# Altium PCB Shot-Clock-Remote.PcbDoc
Units mm, origin at the board's own origin, x right, y up, seen from the top; angles counter-clockwise.
Board outline 40.55 x 140.05 mm, 2 copper layers (Top Layer, Bottom Layer), stack 1.571 mm thick; 18 components, 17 nets, 106 pads, 63 vias.
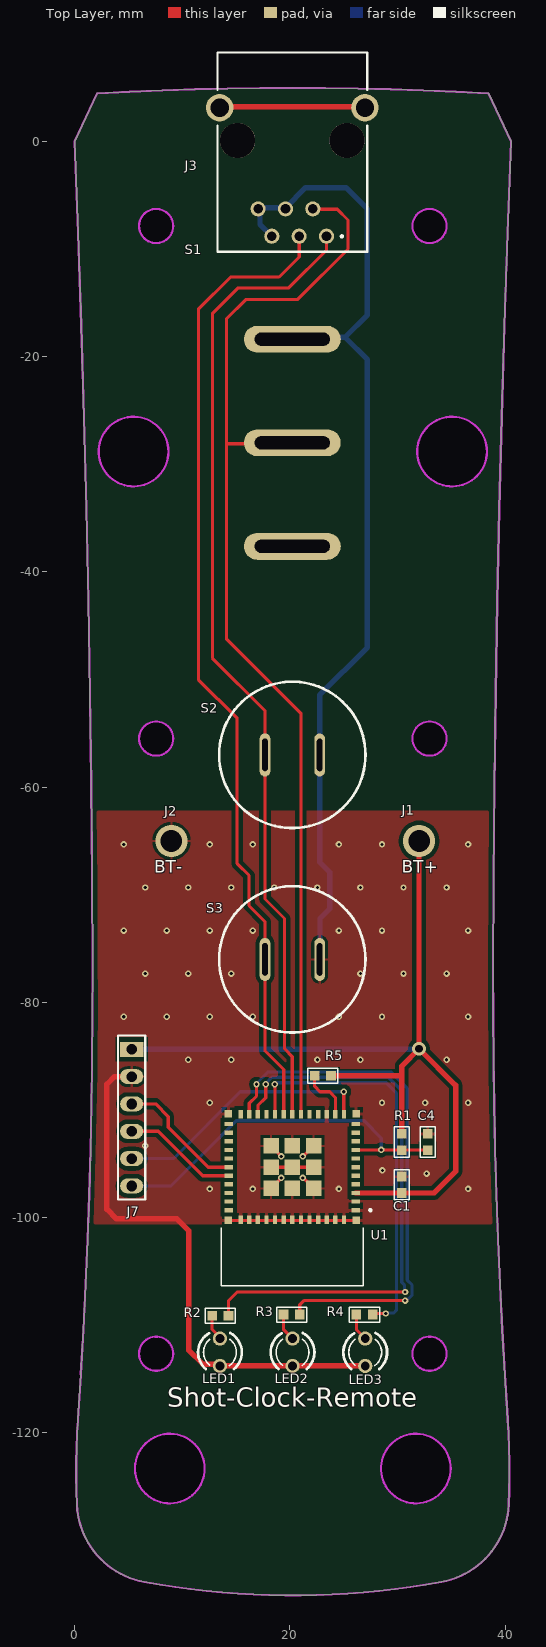
[diagram p0: Top Layer view]
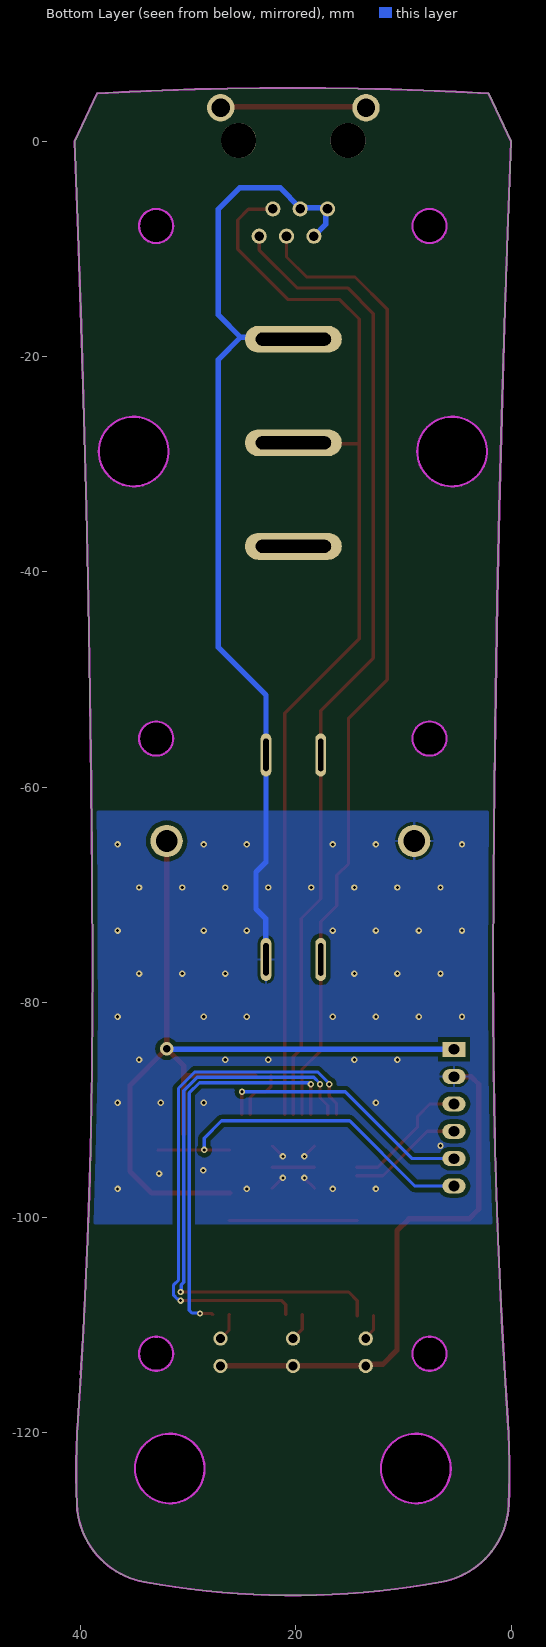
[diagram p1: Bottom Layer view, seen from below]
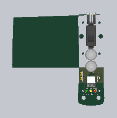
[diagram p2: 3D render of the assembled board from above, using the file's embedded part models]

## Layer stack, top to bottom
Top Solder: solder mask 0.0102, Solder Resist, Dk 3.5
Top Layer: signal copper 0.0356
Dielectric: dielectric 1.5, FR-4, Dk 4.8
Bottom Layer: signal copper 0.0356
Bottom Solder: solder mask 0.0102, Solder Resist, Dk 3.5

## Board outline
0.216,-126.675 cw(c70.871,-123.538) 0.309,-118.744 ccw(c-588.461,-78.743) 1.663,-76.946 ccw(c-2070.84,-83.255) 0,0 2.081,4.463 cw(c20.275,-324.424) 38.469,4.463 40.55,0 ccw(c2111.391,-83.255) 38.887,-76.946 ccw(c629.009,-78.743) 40.242,-118.744 cw(c-30.319,-123.538) 40.335,-126.675 cw(c32.717,-126.336) 34.092,-133.837 cw(c20.275,-58.441) 6.459,-133.837 cw(c7.833,-126.336)
cut-out: 28.467,-123.304 ccw(c31.705,-123.304) 31.705,-126.542 ccw(c31.705,-123.304) 34.944,-123.304 ccw(c31.705,-123.304) 31.705,-120.065 ccw(c31.705,-123.304)
cut-out: 5.607,-123.304 ccw(c8.845,-123.304) 8.845,-126.542 ccw(c8.845,-123.304) 12.084,-123.304 ccw(c8.845,-123.304) 8.845,-120.065 ccw(c8.845,-123.304)
cut-out: 31.388,-112.636 ccw(c32.975,-112.636) 32.975,-114.223 ccw(c32.975,-112.636) 34.563,-112.636 ccw(c32.975,-112.636) 32.975,-111.048 ccw(c32.975,-112.636)
cut-out: 5.988,-112.636 ccw(c7.575,-112.636) 7.575,-114.223 ccw(c7.575,-112.636) 9.163,-112.636 ccw(c7.575,-112.636) 7.575,-111.048 ccw(c7.575,-112.636)
cut-out: 31.388,-55.486 ccw(c32.975,-55.486) 32.975,-57.073 ccw(c32.975,-55.486) 34.563,-55.486 ccw(c32.975,-55.486) 32.975,-53.898 ccw(c32.975,-55.486)
cut-out: 5.988,-55.486 ccw(c7.575,-55.486) 7.575,-57.073 ccw(c7.575,-55.486) 9.163,-55.486 ccw(c7.575,-55.486) 7.575,-53.898 ccw(c7.575,-55.486)
cut-out: 31.832,-28.816 ccw(c35.071,-28.816) 35.071,-32.054 ccw(c35.071,-28.816) 38.309,-28.816 ccw(c35.071,-28.816) 35.071,-25.577 ccw(c35.071,-28.816)
cut-out: 32.975,-9.448 cw(c32.975,-7.861) 31.388,-7.861 cw(c32.975,-7.861) 32.975,-6.273 cw(c32.975,-7.861) 34.563,-7.861 cw(c32.975,-7.861)
cut-out: 2.241,-28.816 cw(c5.48,-28.816) 5.48,-25.577 cw(c5.48,-28.816) 8.718,-28.816 cw(c5.48,-28.816) 5.48,-32.054 cw(c5.48,-28.816)
cut-out: 7.575,-9.448 cw(c7.575,-7.861) 5.988,-7.861 cw(c7.575,-7.861) 7.575,-6.273 cw(c7.575,-7.861) 9.163,-7.861 cw(c7.575,-7.861)

## Design rules (kind name [scope] priority, off if disabled: settings)
Clearance Clearance_poly [InPoly] p1: gap=0.4 ignorepadtopadclearanceinfootprint=FALSE
Clearance [All] p2: gap=0.2 ignorepadtopadclearanceinfootprint=FALSE
HoleSize [All] p1: absolutevalues=TRUE maxlimit=10 minlimit=0.025 maxpercent=80.000 minpercent=20.000
HoleToHoleClearance [All] p1: gap=0 allowstackedmicrovias=TRUE
MinimumSolderMaskSliver [All] p1: minsoldermaskwidth=0
PolygonConnect PolygonConnect_via [IsVia] p1: connectstyle=Direct reliefconductorwidth=0.254 reliefentries=4 polygonreliefangle="90 Angle" airgapwidth=0.254
PolygonConnect [All] p2: connectstyle=Relief reliefconductorwidth=0.254 reliefentries=4 polygonreliefangle="90 Angle" airgapwidth=0.254
RoomDefinition Shot-Clock-Remote [InComponentClass('Shot-Clock-Remote')] p1: confinementstyle=ConfineOut formatcopy=TRUE lockcomponents=FALSE outline 49.1,-127.1 65.5,-127.1 65.5,-122.7 49.1,-122.7
RoutingVias [All] p1: holewidth=0.3 width=0.6 viastyle="Through Hole" minholewidth=0.3 minwidth=0.6 maxholewidth=0.711 maxwidth=1.27
SilkToSilkClearance [All] p1: silktosilkclearance=0
SilkToSolderMaskClearance [IsPad] p1: minsilkscreentomaskgap=0 clearancetoexposedcopper=TRUE
SolderMaskExpansion [All] p1: expansion=0.102 istentingtop=FALSE
Width [All] p1: maxlimit=1 minlimit=0.254 preferedwidth=0.3
25 further rules are at their usual default settings.

## Components (designator, comment, footprint, x,y, rotation, side; value= is the part's Value field where it differs from the comment)
C1 "0.1uF/50V" CAP-0603 30.4,-96.176 r270 top value=50V/0.1uF
C4 "1uF/16V" CAP-0603 32.8,-92.2 r270 top value=16V/1uF
J1 "BT+" BT_PAD#1 31.6,-65.3 r0 top
J2 "BT-" BT_PAD#2 9.4,-65.3 r0 top
J3 "615006143421" 615006143421 20.227,-1 r180 top
J7 "PROG" HEADER1X6 5.3,-90.7 r270 top value=61300611121
LED1 "TLVG4200" LED3MM_GREEN 13.5,-112.5 r270 top
LED2 "TLHY4400" LED3MM_YELLOW 20.25,-112.5 r270 top
LED3 "TLHR4400" LED3MM_RED 27,-112.5 r270 top
R1 "10K" RES-0603 30.4,-93.724 r90 top
R2 "1K" RES-0603 12.776,-109.1 r0 top value=10K
R3 "1K" RES-0603 19.4,-109 r0 top value=10K
R4 "1K" RES-0603 26.176,-109 r0 top value=10K
R5 "1K" RES-0603 23.824,-86.8 r180 top value=10K
S1 "150011E" 150011E 20.227,-28 r0 top
S2 "PB6B2RS2M3CAL00" PB6B2RS2M3CAL00 20.227,-57 r0 top locked
S3 "PB6B2RS2M3CAL00" PB6B2RS2M3CAL00 20.227,-76 r0 top locked
U1 "ESP32-C6-MINI-1" XCVR_ESP32-C6-MINI-1 20.227,-98 r180 top locked value=ESP32-C3-MINI-1-N4

## Footprints (in the part's own frame and the unit in brackets; to place one, negate y for a bottom-side part, rotate by r counter-clockwise, add the part's x,y. Pads: shape width x height; smd on the part's side, far side on the other; paste and mask are expansions set on the pad)
150011E [mm]
  oval 9x2.5 hole 1.2 slot 7 at 0 deg: 1(0,9.62) 2(0,0) 3(0,-9.62)
  body extent -7.55,-19.88 7.55,19.88, height 22.3
615006143421 [mm]
  round 1.408 hole 0.9: 1(-3.175,7.81) 2(-1.905,5.27) 3(-0.635,7.81) 4(0.635,5.27) 5(1.905,7.81) 6(3.175,5.27)
  round 2.55 hole 1.7: S1(-6.75,-4.13) S2(6.75,-4.13)
  round 3.25 hole 3.25 unplated: ""(-5.08,-1.08) ""(5.08,-1.08)
  silkscreen extent -6.96,-9.25 6.96,9.25, body extent -7.88,-9.12 7.87,9.18, height 13.55
BT_PAD#1 [mm]
  round 3 hole 2: 1(0.4,0.3)
BT_PAD#2 [mm]
  round 3 hole 2: 1(-0.4,0.3)
CAP-0603 [mm]
  rect 0.9x0.9 smd mask+0.07: 1(0,0) 2(1.524,0)
  silkscreen extent -0.64,-0.7 2.16,0.7, body extent -0.04,-0.4 1.56,0.4, height 0.6
HEADER1X6 [mil]
  rect 55x85 hole 39: 1(-250,0)
  oval 55x85 hole 39: 2(-150,0) 3(-50,0) 4(50,0) 5(150,0) 6(250,0)
  silkscreen extent -300,-50 300,50
LED3MM_GREEN [mil]
  round 52 hole 32: A(-50,0) K(50,0)
  silkscreen extent -71,-80 61,80, body extent -63,-63 63,63, height 634
LED3MM_RED [mil]
  round 52 hole 32: A(-50,0) K(50,0)
  silkscreen extent -71,-80 61,80, body extent -63,-63 63,63, height 634
LED3MM_YELLOW [mil]
  round 52 hole 32: A(-50,0) K(50,0)
  silkscreen extent -71,-80 61,80, body extent -63,-63 63,63, height 634
PB6B2RS2M3CAL00 [mm]
  oval 1x4 hole 0.5 slot 3 at 90 deg: 1(-2.54,0) 2(2.54,0)
  silkscreen extent -6.8,-6.8 6.8,6.8, body extent -8.75,-8.75 8.75,8.75, height 17.83
RES-0603 [mm]
  rect 0.9x0.9 smd mask+0.07: 1(0,0) 2(1.524,0)
  silkscreen extent -0.64,-0.7 2.16,0.7, body extent -0.04,-0.4 1.56,0.4, height 0.38
XCVR_ESP32-C6-MINI-1 [mm]
  rect 0.8x0.4 smd: 1(-5.9,1.3) 2(-5.9,0.5) 3(-5.9,-0.3) 4(-5.9,-1.1) 5(-5.9,-1.9) 6(-5.9,-2.7) 7(-5.9,-3.5) 8(-5.9,-4.3) 9(-5.9,-5.1) 10(-5.9,-5.9) 11(-5.9,-6.7) 25(5.9,-6.7) 26(5.9,-5.9) 27(5.9,-5.1) 28(5.9,-4.3) 29(5.9,-3.5) 30(5.9,-2.7) 31(5.9,-1.9) 32(5.9,-1.1) 33(5.9,-0.3) 34(5.9,0.5) 35(5.9,1.3)
  rect 0.4x0.8 smd: 12(-4.8,-7.6) 13(-4,-7.6) 14(-3.2,-7.6) 15(-2.4,-7.6) 16(-1.6,-7.6) 17(-0.8,-7.6) 18(0,-7.6) 19(0.8,-7.6) 20(1.6,-7.6) 21(2.4,-7.6) 22(3.2,-7.6) 23(4,-7.6) 24(4.8,-7.6) 36(4.8,2.2) 37(4,2.2) 38(3.2,2.2) 39(2.4,2.2) 40(1.6,2.2) 41(0.8,2.2) 42(0,2.2) 43(-0.8,2.2) 44(-1.6,2.2) 45(-2.4,2.2) 46(-3.2,2.2) 47(-4,2.2) 48(-4.8,2.2)
  rect 1.45x1.45 smd: 49_1(-1.974,-0.725) 49_2(0,-0.725) 49_3(1.975,-0.725) 49_4(1.975,-2.7) 49_5(1.975,-4.675) 49_6(0,-4.675) 49_7(-1.975,-4.675) 49_8(-1.974,-2.7) 49_9(0,-2.7)
  rect 0.7x0.7 smd: 50(5.95,2.25) 51(5.95,-7.65) 52(-5.95,-7.65) 53(-5.95,2.25)
  silkscreen extent -7.35,1.2 6.6,8.3, body extent -6.6,-8.3 6.6,8.3, height 2.55

## Part data
C1: library part CAP, "Multilayer Ceramic Capacitors MLCC - SMD/SMT 50V 100nF X7R 0603 10%", Manufacturer=YAGEO, Manufacturer Part Number=CS0603KRX7R9BB104, Supplier Part Number=311-3568-2-ND, Price=0.14, Supplier=Digi-key
C4: library part CAP, "1 µF ±10% 25V Ceramic Capacitor X5R 0603 (1608 Metric)", Manufacturer=YAGEO, Manufacturer Part Number=CC0603KRX7R7BB105, Supplier Part Number=311-1446-2-ND, Price=0.14, Supplier=Digi-key
J1 J2: library part BK-82, "NO FIT"
J3: "Modular Connectors / Ethernet Connectors WR-COM Modular Jack Horztl 1.5A", Manufacturer="Wurth Elektronik", Supplier Part Number=732-615006143421-ND, Manufacturer Part Number=615006143421, Price=2.7, Supplier=Digi-key
J7: library part HEADER6_1, "Connector Header Through Hole 6 position 0.100\" (2.54mm)", Manufacturer="Würth Elektronik", Manufacturer Part Number=61300611121, Supplier Part Number=732-5319-ND, Price=0.35, Supplier=Digi-key
LED1: library part "LED GREEN DIP 3mm", "Green 569nm LED Indication - Discrete 2.4V Radial", Manufacturer="Vishay Semiconductor Opto Division", Supplier Part Number=TLVG4200-ND, Manufacturer Part Number=TLVG4200, Price=0.47, Supplier=Digi-key
LED2: library part "LED YELLOW DIP 3mm", "Yellow 588nm LED Indication - Discrete 2.4V Radial", Manufacturer="Vishay Semiconductor Opto Division", Supplier Part Number=TLHY4400-ND, Manufacturer Part Number=TLHY4400, Price=0.51, Supplier=Digi-key
LED3: library part "LED RED DIP 3mm", "Red 619nm LED Indication - Discrete 2V Radial", Manufacturer="Vishay Semiconductor Opto Division", Supplier Part Number=751-1127-ND, Manufacturer Part Number=TLHR4400, Price=0.51, Supplier=Digi-key
R1: library part RES, "10 kOhms ±1% 0.1W, 1/10W Chip Resistor 0603 (1608 Metric) Moisture Resistant Thick Film", Manufacturer=YAGEO, Manufacturer Part Number=RC0603FR-0710KL, Supplier Part Number=311-10.0KHRTR-ND, Price=0.1, Supplier=Digi-key
R2 R3 R4 R5: library part RES1, "1 KOhms ±1% 0.1W, 1/10W Chip Resistor 0603 (1608 Metric) Moisture Resistant Thick Film", Manufacturer=YAGEO, Manufacturer Part Number=RC0603FR-071KL, Supplier Part Number=311-1.00KHRTR-ND, Price=0.1, Supplier=Digi-key
S1: library part SW-SPDT, "SPDT Subminiature Toggle Switch, Right Angle Mounting, Vertical Actuation", Manufacturer=EATON, Supplier Part Number=87F2624, ComponentLink1Description="Manufacturer Link", ComponentLink1URL=http://www.apem.com, Manufacturer Part Number=150011E, Price=3, Supplier=Newark
S2 S3: library part SW-PB, "Pushbutton Switch SPST-NO Standard Panel Mount, Front", Manufacturer="TE Connectivity ALCOSWITCH Switches", Supplier Part Number=450-2696-ND, Manufacturer Part Number=PB6B2RS2M3CAL00, Price=7, Supplier=Digi-key
U1: "Bluetooth, WiFi 802.11b/g/n, Bluetooth v5.0 Transceiver Module 2.412GHz ~ 2.484GHz PCB Trace Surface Mount", Manufacturer="Espressif Systems", Manufacturer Part Number=ESP32-C3-MINI-1-N4, Supplier Part Number=1965-ESP32-C6-MINI-1-N4TR-ND, Price=2.5, Supplier=Digi-key

## Via types
v1: diameter 0.6, hole 0.3, Top Layer to Bottom Layer, tented both sides, 58 vias
v2: diameter 0.6, hole 0.3, Top Layer to Bottom Layer, tented bottom, 4 vias
v3: diameter 1.27, hole 0.711, Top Layer to Bottom Layer, tented both sides, 1 vias

## Nets (pads, with @x,y where several pads share a name; then routed paths per layer and width w, separated by ;. In a path a pad name is that pad's centre, name@x,y a point inside that pad or via, vN(x,y) a via of type N, cw(c..) or ccw(c..) an arc to the next point about the centre after c; other vN are vias at no path point)
ADC: R5.2 U1.13 | length 4.9
  Top Layer w0.3: R5.2 22.3,-87.8 22.8,-88.3 23.7,-88.3 24.227,-88.827 U1.13
BOOT: J7.5 U1.12 | length 24.4
  Top Layer w0.3: v1(25,-88.3) 25.014,-88.314 25.014,-90.386 U1.12
  Bottom Layer w0.3: J7.5 9.19,-94.51 15.4,-88.3 v1(25,-88.3)
BUTTON1: J3.1 S2.1 U1.18 | length 91.8
  Top Layer w0.3: U1.18 20.227,-85.027 19.5,-84.3 19.5,-72.2 17.687,-70.387 S2.1 17.687,-52.887 12.8,-48 12.8,-16 15.186,-13.614 19.886,-13.614 23.402,-10.098 J3.1
BUTTON2: J3.3 S3.1 U1.19 | length 91.4
  Top Layer w0.3: U1.19 19.427,-86.227 17.687,-84.487 S3.1 17.687,-72.487 16.2,-71 16.2,-68.2 15.1,-67.1 15.1,-53.6 11.5,-50 11.5,-15.6 14.5,-12.6 19,-12.6 20.862,-10.738 J3.3
ESP-EN: C4.2 J7.6 R1.1 U1.8 | length 34.2
  Top Layer w0.3: U1.8 v1(28.5,-93.7) 32.776,-93.7 C4.2
  Bottom Layer w0.3: J7.6 8.95,-97.05 15,-91 26.9,-91 28.5,-92.6 v1(28.5,-93.7)
GND: C1.1 C4.1 J2.1 J3.4 J3.5 J3.6 J7.2 LED1.K LED2.K LED3.K S1.1 S2.2 S3.2 U1.1 U1.2 U1.11 U1.14 U1.36 U1.37 U1.38 U1.39 U1.40 U1.41 U1.42 U1.43 U1.44 U1.45 U1.46 U1.47 U1.48 U1.49_1 U1.49_2 U1.49_3 U1.49_4 U1.49_5 U1.49_6 U1.49_7 U1.49_8 U1.49_9 U1.50 U1.51 U1.52 U1.53 | length 167.2
  Top Layer w0.3: U1.50 U1.53 ; U1.49_3 19.2,-96.327 v2(19.2,-96.3) ; U1.49_4 U1.49_9 U1.49_8 ; U1.49_5 19.2,-94.273 v2(19.2,-94.3) ; v2(21.2,-96.3) 21.226,-96.3 U1.49_1 ; v2(21.2,-94.3) 21.227,-94.3 U1.49_7
  Top Layer w0.5: J7.2 3.71,-86.89 3,-87.6 3,-99.2 3.9,-100.1 9.5,-100.1 10.6,-101.2 10.6,-112.3 11.913,-113.613 13.343,-113.613 LED1.K LED2.K LED3.K
  Bottom Layer w0.3: S3.2@22.767,-77.267 S3.2
  Bottom Layer w0.5: J3.6 17.226,-6.444 17.226,-7.714 J3.5 ; J3.6@17.052,-6.17 19.592,-6.17 21.462,-4.3 25.2,-4.3 27.2,-6.3 27.2,-16.114 25.12,-18.194 ; J3.5@18.3,-8.688 J3.5@18.322,-8.71 ; S1.1 20.413,-18.194 25.12,-18.194 ; S3.2 22.8,-75.967 22.8,-72.2 23.7,-71.3 23.7,-67.9 22.767,-66.967 S2.2 22.767,-51.433 27.2,-47 27.2,-20.275 25.12,-18.194
  other v1: 12.558,-97.319 16.558,-97.319 24.558,-97.319 36.558,-97.319 32.7,-95.9 28.6,-95.6 6.558,-93.319 12.558,-89.319 28.558,-89.319 32.558,-89.319 36.558,-89.319 10.558,-85.319 14.558,-85.319 22.558,-85.319 26.558,-85.319 34.558,-85.319 4.558,-81.319 8.558,-81.319 12.558,-81.319 16.558,-81.319 24.558,-81.319 28.558,-81.319 36.558,-81.319 6.558,-77.319 10.558,-77.319 14.558,-77.319 26.558,-77.319 30.558,-77.319 34.558,-77.319 4.558,-73.319 8.558,-73.319 12.558,-73.319 16.558,-73.319 24.558,-73.319 28.558,-73.319 36.558,-73.319 6.558,-69.319 10.558,-69.319 14.558,-69.319 18.558,-69.319 22.558,-69.319 26.558,-69.319 30.558,-69.319 34.558,-69.319 4.558,-65.319 12.558,-65.319 16.558,-65.319 24.558,-65.319 28.558,-65.319 36.558,-65.319
GREEN: R2.2 U1.22 | length 53.5
  Top Layer w0.3: R2.2 14.3,-107.7 15.1,-106.9 v1(30.7,-106.9) ; U1.22 17.027,-89.573 17.75,-88.85 v1(17.75,-87.6)
  Bottom Layer w0.3: v1(17.75,-87.6) 17.75,-87.531 18.331,-86.95 29.157,-86.95 30.4,-88.193 30.4,-106 30.643,-106.243 30.643,-106.843 v1(30.7,-106.9)
NetJ3_S1: J3.S1 J3.S2 | length 13.5
  Top Layer w0.5: J3.S2@13.477,3.23 J3.S1@26.977,3.23
NetLED1_A: LED1.A R2.1 | length 2.4
  Top Layer w0.3: R2.1 12.776,-110.384 13.5,-111.108 LED1.A
NetLED2_A: LED2.A R3.1 | length 2.6
  Top Layer w0.3: R3.1 19.4,-110.38 LED2.A
NetLED3_A: LED3.A R4.1 | length 2.6
  Top Layer w0.3: R4.1 26.2,-109.024 26.2,-110.43 LED3.A
ON-OFF: J3.2 S1.2 U1.17 | length 103.5
  Top Layer w0.3: S1.2@20.477,-28.1 14.1,-28.1 ; U1.17 21.027,-53.127 14.1,-46.2 14.1,-28.1 ; J3.2 22.162,-6.3 24.4,-6.3 25.4,-7.3 25.4,-10 20.7,-14.7 15.9,-14.7 14.1,-16.5 14.1,-28.1
RED: R4.2 U1.20 | length 37.1
  Top Layer w0.3: v1(18.6,-87.6) 18.613,-87.614 18.613,-90.386 U1.20 ; R4.2 27.8,-108.9 v1(28.9,-108.9)
  Bottom Layer w0.3: v1(18.6,-87.6) 18.681,-87.6 18.831,-87.45 28.95,-87.45 29.9,-88.4 29.9,-108.6 29.65,-108.85 28.95,-108.85 v1(28.9,-108.9)
U0RXD: J7.3 U1.30 | length 12
  Top Layer w0.3: J7.3 7.53,-89.43 8.7,-90.6 8.7,-91.6 12.4,-95.3 U1.30
U0TXD: J7.4 U1.31 | length 10.7
  Top Layer w0.3: J7.4 7.77,-91.97 11.9,-96.1 U1.31
VCC: C1.2 J1.1 J7.1 R1.2 R5.1 U1.3 | length 84.2
  Top Layer w0.5: R5.1 30.2,-86.8 30.4,-86.6 ; U1.3 C1.2 33.4,-97.7 35.4,-95.7 35.4,-87.7 v3(32,-84.3) ; R1.2 30.4,-86.6 ; J1.1 v3(32,-84.3) ; 30.4,-86.6 30.4,-85.9 v3(32,-84.3)
  Bottom Layer w0.5: J7.1 31.95,-84.35 v3(32,-84.3)
YELLOW: R3.2 U1.23 | length 49.4
  Top Layer w0.3: U1.23 16.227,-89.373 16.9,-88.7 v1(16.9,-87.6) ; R3.2 20.924,-108.076 21.3,-107.7 v1(30.7,-107.7)
  Bottom Layer w0.3: v1(16.9,-87.6) 16.9,-87.531 17.981,-86.45 29.364,-86.45 30.9,-87.986 30.9,-105.793 31.35,-106.243 31.35,-107.21 31.01,-107.55 30.931,-107.55 30.781,-107.7 v1(30.7,-107.7)
pads on no net: J3. S1.3 U1.4 U1.5 U1.6 U1.7 U1.9 U1.10 U1.15 U1.16 U1.21 U1.24 U1.25 U1.26 U1.27 U1.28 U1.29 U1.32 U1.33 U1.34 U1.35

## Polygon pours and split planes (outlines as drawn)
GND on Bottom Layer "GND_L02_P001" (solid, remove dead copper, pour order 1): 1.3,-100.6 39.4,-100.6 39.4,-62.2 1.7,-62.2 1.6,-62.3
GND on Top Layer "GND_L01_P000" (solid, remove dead copper, pour order 0): 1.2,-100.6 39.3,-100.6 39.3,-62.2 1.6,-62.2 1.5,-62.3

## Keep-outs
Keep-Out Layer:
  circle w0.2: c8.845,-123.304 r3.239
  circle w0.2: c31.705,-123.304 r3.239
  circle w0.2: c32.975,-112.636 r1.587
  circle w0.2: c7.575,-112.636 r1.587
  circle w0.2: c32.975,-7.861 r1.587
  circle w0.2: c32.975,-55.486 r1.587
  circle w0.2: c5.48,-28.816 r3.239
  circle w0.2: c35.071,-28.816 r3.239
  circle w0.2: c7.575,-7.861 r1.587
  circle w0.2: c7.575,-55.486 r1.587
  lines w0.2: 0,0 cw(c-2070.844,-83.255) 1.663,-76.946 cw(c-588.461,-78.743) 0.309,-118.744 ccw(c70.871,-123.538) 0.216,-126.675 ccw(c7.833,-126.336) 6.459,-133.837 ccw(c20.275,-58.441) 34.092,-133.837 ccw(c32.717,-126.336) 40.335,-126.675 ccw(c-30.321,-123.538) 40.242,-118.744 cw(c629.011,-78.743) 38.887,-76.946 cw(c2111.395,-83.255) 40.55,0 38.469,4.463 ccw(c20.275,-324.424) 2.081,4.463 0,0

## Silkscreen, mask and mechanical layers (free items; w line width, h text height)
Top Overlay:
  text "Shot-Clock-Remote" at 8.6,-118.167 h3
Mechanical 3:
  drawing of 182 lines, arcs and shapes, not listed
  text "R" at -143.135,-71.942 h3.17
  text "3.018" at -140.565,-71.942 h3.17
  text "6X" at 17.321,-74.198 h3.17
  text ".125" at 28.207,-74.247 h3.17
  text "4X" at -43.774,-76.918 h3.17
  text "2X R" at -99.825,-76.966 h3.17
  text "2.784" at -91.158,-76.966 h3.17
  text ".255" at -32.888,-76.966 h3.17
  text "R" at 30.519,-80.966 h3.17
  text "12.968" at 33.089,-80.966 h3.17
  text ".063" at 57.328,-81.772 h3.17
  text "2X R" at -148.082,-82.587 h3.17
  text ".300" at -139.415,-82.587 h3.17
  text ".798" at 33.428,-86.342 h3.17
  text ".583" at 33.428,-91.407 h3.17
  text ".500" at 33.428,-96.471 h3.17
  text ".030" at -146.017,-98.458 h3.17
  text ".450" at 33.428,-101.092 h3.17
  text "0" at 33.428,-108.522 h3.17
  text ".450" at 33.428,-113.188 h3.17
  text ".500" at 33.428,-118.253 h3.17
  text ".583" at 33.428,-123.317 h3.17
  text ".798" at 33.428,-128.797 h3.17
  text "0" at 19.942,-144.301 h3.17 r90
  text ".505" at 4.581,-150.166 h3.17 r90
  text ".195" at 12.442,-150.166 h3.17 r90
  text ".020" at 15.74,-150.166 h3.17 r90
  text "5.514" at -122.651,-152.512 h3.17 r90
  text "5.465" at -118.796,-152.512 h3.17 r90
  text "5.183" at -114.233,-152.512 h3.17 r90
  text "5.050" at -110.862,-152.512 h3.17 r90
  text "4.870" at -106.303,-152.512 h3.17 r90
  text "4.630" at -100.194,-152.512 h3.17 r90
  text "3.225" at -64.505,-152.512 h3.17 r90
  text "2.380" at -43.044,-152.512 h3.17 r90
  text "1.330" at -16.374,-152.512 h3.17 r90
  text "2X R" at -72.422,-157.47 h3.17
  text "23.233" at -63.754,-157.47 h3.17
  text "2X R" at -17.949,-157.47 h3.17
  text "81.595" at -9.282,-157.47 h3.17
  text "NOTES:" at -50.28,-175.534 h3.17
  text ".030" at -18.91,-180.423 h3.17
  text "1." at -50.28,-180.472 h3.17
  text "INCLUDES" at -40.28,-180.472 h3.17
  text "CLEARANCE FROM INTERIOR OF VK-62AA" at -9.29,-180.472 h3.17
  text "REV." at -166.526,-213.434 h2.12
  text "DESCRIPTION" at -138.39,-213.434 h2.12
  text "ZONE" at -98.466,-213.434 h2.12
  text "BY" at -87.377,-213.434 h2.12
  text "APPR'D" at -80.468,-213.434 h2.12
  text "DATE" at -65.217,-213.434 h2.12
  text "REVISIONS" at -117.145,-216.661 h2.12